# Allegro board parallella_layout.brd (continued)
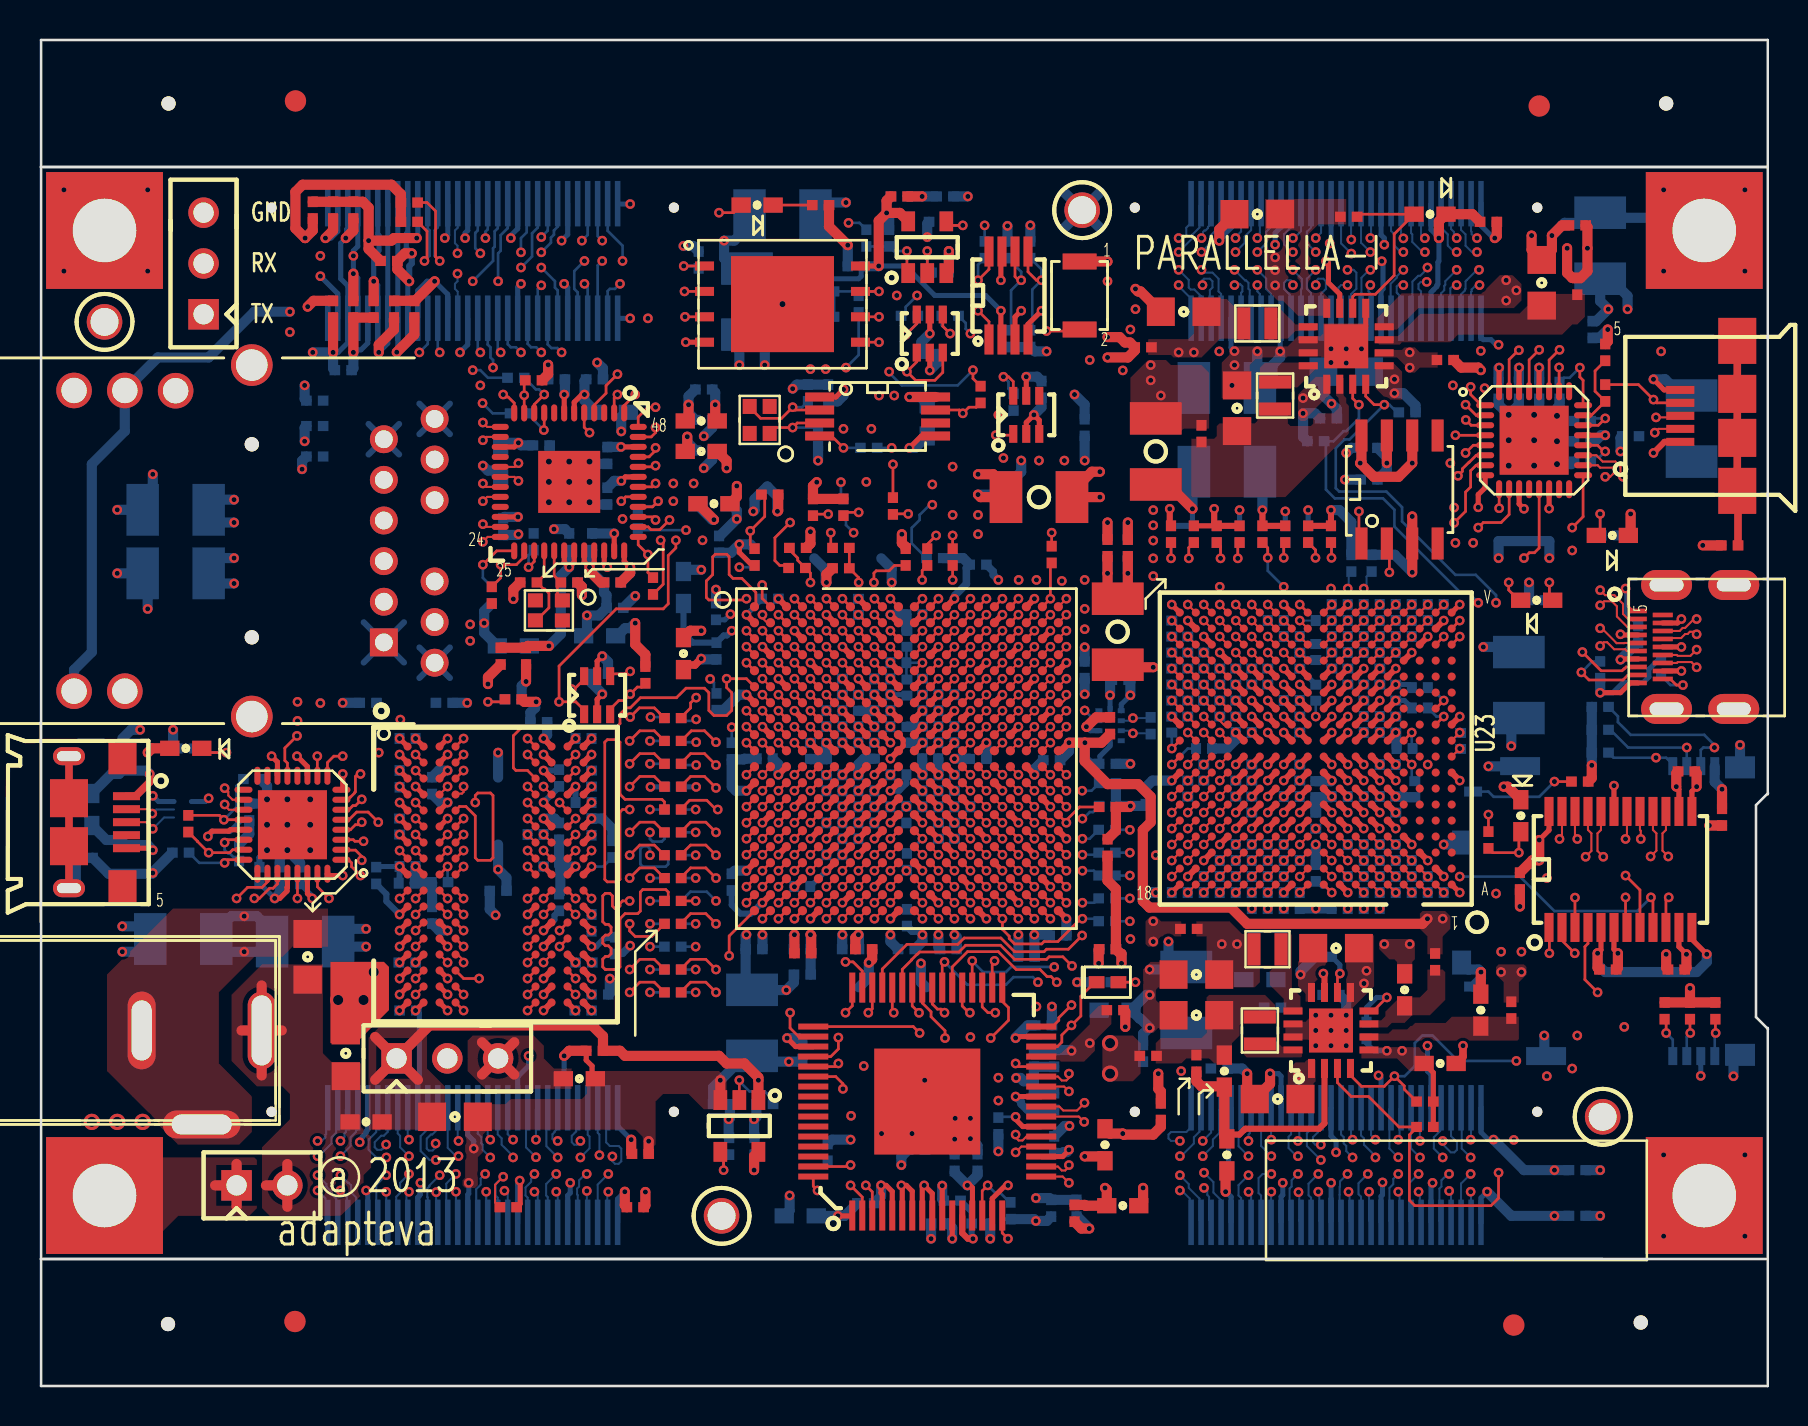
[diagram p0: board, top side]
## Routing (per net, layer and track width the routed paths; a pad name or vN(x,y) marks a point on that pad's centre or on a via; arc(x,y) is an arc through that point) (continued)
VCC_XADC: length 2.5
  TOP w0.254: U2.J9 v1(42.53,32.17)
  TOP w0.381: FB1.2 32.41,36.06 32.76,36.06 v1(33.07,36.37)
  BOTTOM w0.508: C16.2 33.11,36.33 v1(33.07,36.37)
VDD_ADJ: length 9.7
  TOP w0.508: C292.1 v1(15.67,55.63) ; v1(72.06,50.8) 71.94,50.93 71.08,50.93 R332.2
  L5_SIG w0.508: v1(15.67,55.63) v1(15.67,56.52)
  BOTTOM w0.254: J13.54 15.89,56.99 15.67,56.77 v1(15.67,56.52) v1(15.67,55.63) 15.89,55.41 J13.53
  vias: v1(72.06,51.77)
VDD_DSP: length 23.1
  TOP w0.305: U23.K8 v1(65.41,32.68) ; U23.H12 v1(61.41,30.28) ; U23.L13 v1(60.61,33.48) ; U23.K6 v1(67.01,32.68) ; U23.H8 v1(65.41,30.28) ; U23.J13 v1(60.61,31.08) ; U23.M12 v1(61.41,34.28) ; U23.H6 v1(67.01,30.28) ; U23.L9 v1(64.61,33.48) ; U23.N7 v1(66.21,35.08) ; U23.N9 v1(64.61,35.08) ; U23.L11 v1(62.21,33.48) ; U23.J7 v1(66.21,31.08) ; U23.H10 v1(63.01,30.28) ; U23.M10 v1(63.01,34.28) ; U23.N13 v1(60.61,35.08) ; U23.K12 v1(61.41,32.68) ; U23.M8 v1(65.41,34.28) ; U23.J9 v1(64.61,31.08) ; U23.M6 v1(67.01,34.28) ; U23.J11 v1(62.21,31.08) ; U23.L7 v1(66.21,33.48) ; U23.K10 v1(63.01,32.68) ; U23.N11 v1(62.21,35.08)
  TOP w0.508: v1(17.84,51.7) 18.72,52.58 C277.1
  BOTTOM w0.254: v1(17.84,51.7) 17.89,51.75 J13.45 J13.46
  vias: v1(55.55,51.05) v1(55.55,50.29) v1(56.06,49.53)
VDD_GPIO: length 61.4
  TOP w0.254: U37.12 82.62,22.33 v1(83.37,21.59) ; v1(74.98,27.3) 75.47,27.79 U37.24 ; U37.5 78.07,21.81 v1(77.9,21.64)
  TOP w0.305: U2.V14 v1(46.54,24.97) ; U2.R15 v1(47.34,27.37) ; U2.T18 v1(49.74,26.57) ; U2.Y10 v1(42.53,23.37) ; U2.Y20 v1(51.34,23.37) ; U2.N19 v1(50.54,28.97) ; U2.W7 v1(40.13,24.17) ; U2.T8 v1(40.93,26.57) ; U2.W17 v1(48.94,24.17) ; U2.U11 v1(44.14,25.77)
  TOP w0.508: v1(77.9,21.64) 77.9,20.92 C239.1 ; C190.1 41.62,21.34 v1(41.46,21.17) ; v1(52.95,21.13) 52.95,21.82 C129.1 ; C127.1 56.06,14.73 55.93,14.86 v1(55.93,15.62) ; v1(29.25,9.72) 29.25,9.04 C269.1 ; v1(29.57,12.32) 29.57,11.65 C268.1 ; C293.1 15.67,57.78 v1(15.29,57.4) ; C132.1 53.81,27.76 R22.2 54.49,28.96 v1(54.54,29.01) ; v1(74.98,27.3) v1(74.98,26.29) 74.64,26.29 C189.1 ; v1(76.38,56.9) 76.38,55.66 76.63,55.41 R333.2 77.05,55.41 77.4,55.75 v1(77.4,56.9) 77.4,57.95 C188.1 ; C126.1 v1(14.66,51.69)
  BOTTOM w0.254: v1(14.66,51.69) 14.91,51.69 15.39,52.17 J13.55 15.39,55.02 15.04,55.37 15.04,57.15 v1(15.29,57.4) 15.34,57.45 15.34,57.84 15.35,57.84 15.39,57.89 J13.56 ; C130.1 43,23.84 v1(42.53,23.37) ; v1(29.57,12.32) 28.89,12.99 J11.2 ; v1(29.25,9.72) 28.89,9.36 J11.1
  BOTTOM w0.508: C191.1 14.66,50.89 v1(14.66,51.69) v1(13.64,51.69) ; v1(51.34,23.37) 51.34,22.53 C133.1 ; C128.1 48.94,21.49 v1(48.94,22.57) ; C129.1 52.95,21.82 v1(52.95,21.13) ; v1(77.9,21.64) 77.9,21.08 78.29,20.7 82.86,20.7 83.37,21.21 v1(83.37,21.59) ; v1(41.46,21.17) 41.46,20.43 40.96,19.94 ; v1(9.71,40.13) 8.94,40.13 C194.1 8.44,40.89 8.94,41.4 v1(9.71,41.4) ; C131.1 55.21,29.01 v1(54.54,29.01) R20.1 R18.1 ; R328.1 34.44,12.43 v1(34.44,13.34) 34.51,13.4 C193.1
  vias: v1(57.08,15.75)
1P0V: length 83
  TOP w0.254: U2.J13 v1(45.74,32.97) ; U2.K12 v1(44.94,32.17)
  TOP w0.305: U2.H12 v1(44.94,33.77) ; U2.L13 v1(45.74,30.57) ; U2.P8 v1(40.93,28.17) ; U2.G7 v1(40.13,34.57) ; U2.J7 v1(40.13,32.97) ; U2.G13 v1(45.74,34.57) ; U2.P12 v1(44.94,28.17) ; U2.G11 v1(44.14,34.57) ; U2.H10 v1(42.53,33.77) ; U2.N7 v1(40.13,28.97) ; U2.R13 v1(45.74,27.37) ; U2.R7 v1(40.13,27.37) ; U2.N13 v1(45.74,28.97) ; U2.L7 v1(40.13,30.57) ; U2.M12 v1(44.94,29.77)
  TOP w0.508: C150.1 v1(37.73,22.57) ; C195.1 54.03,35.94 v1(55.68,35.94) ; v1(53.01,45.72) 52.61,45.72 51.62,44.73 C214.1 v1(53.01,44.45) ; v1(18.6,56.64) 18.25,56.64 C275.1 17.87,55.84 v1(18.47,55.24)
  L3_SIG w0.508: TP13.1 52.91,59.59 ; TP13.1 51.33,58.01 ; TP13.1 51.33,59.59 ; TP13.1 52.91,58.01
  L5_SIG w0.508: v1(51.74,49.58) 47.98,49.58 47.11,48.7 47.11,47.94 46.79,47.62 42.34,47.62 41.04,46.32 39.84,46.32 39.04,47.12 33.58,47.12 v1(33.2,47.5)
  L8_SIG w0.508: v1(51.74,49.58) 51.74,55.24 52.12,55.63 TP13.1 51.95,58.98 49.35,58.98 v1(48.39,58.01)
  BOTTOM w0.254: v1(18.6,56.64) 18.32,56.92 18.32,57.62 18.39,57.69 J13.44 ; J13.43 18.39,55.17 v1(18.47,55.24)
  BOTTOM w0.305: v1(18.6,56.64) 18.6,56.13 18.47,56.01 v1(18.47,55.24)
  BOTTOM w0.508: C151.1 52.25,49.07 v1(51.74,49.58) ; v1(33.2,47.5) 33.62,47.92 FB4.1 ; v1(40.31,59.18) 39.42,59.18 C179.1 ; C156.1 37.71,22.54 v1(37.73,22.57) ; v1(40.13,22.57) 40.12,22.56 C154.1 ; TP13.1 53.02,59.7 ; TP13.1 51.23,59.7 ; TP13.1 53.02,57.9 ; TP13.1 51.23,57.9 ; 42.08,41.39 42.6,40.87 v1(42.6,40.18) ; C182.1 37.71,20.18 v1(37.33,19.8) 35.63,19.8 35.3,20.13 C155.1 35.3,22.53 v1(35.33,22.57) ; v1(42.53,22.57) 42.53,22.23 C152.1 ; v1(44.94,22.57) 44.94,21.92 C153.1 ; R300.2 v1(48.39,58.01)
  vias: v2(53.52,17.14) v2(53.52,15.62)
1P0V_FLTR_PHY: length 6.7
  TOP w0.254: v1(27.23,49.58) 27.1,49.58 26.72,49.2 U9.6 ; v1(28.37,40.94) 28.22,41.1 U9.34
  TOP w0.508: v1(32.44,49.07) 32.44,48.43 C34.1
  BOTTOM w0.508: C32.1 27.23,50.25 v1(27.23,49.58) 27.23,49.29 C33.1 ; FB4.2 32.44,48.65 v1(32.44,49.07) 32.44,49.49 C35.1
1P8V: length 214.6
  TOP w0.254: U11.5 v1(44.5,52.63) ; v1(11.58,31.5) 11.88,31.2 U17.14 ; U12.32 v1(72.98,50.93) ; U12.30 v1(73.98,50.93) ; U34.3 48.77,53.46 v1(49.08,53.77) ; v1(15.14,25.53) 14.47,25.53 U17.32 ; U12.8 72.28,44.92 71.94,44.58 v1(71.94,43.94) ; v1(12.85,31.5) 13.38,30.97 U17.11 ; U17.30 13.38,24.62 v1(13.62,24.38) ; U17.8 15.14,29.88 v1(15.14,30.61) ; v1(11.74,24.38) 11.99,24.38 12.36,24.75 12.36,24.92 12.38,24.94 U17.28 ; U12.11 73.98,44.11 v1(74.22,43.87) ; R162.2 R161.2 ; U12.14 v1(75.48,43.88) ; U12.28 v1(74.98,50.93) ; U2.H8 v1(41.73,32.97) ; U14.5 v1(49.33,50.47)
  TOP w0.305: U23.G13 v1(60.61,29.48) ; U2.N11 v1(44.14,28.97) ; U23.G11 v1(62.21,29.48) ; U2.B16 v1(48.14,38.57) ; U23.L5 v1(67.81,33.48) ; v1(64.57,43.8) R159.2 R157.2 ; U23.P8 v1(65.41,35.88) ; U2.R9 v1(41.73,27.37) ; U23.P12 v1(61.41,35.88) ; U23.M14 v1(59.81,34.28) ; U23.G5 v1(67.81,29.48) ; U2.D12 v1(44.94,36.97) ; R156.2 56.5,43.08 v1(56.5,43.87) ; U23.G7 v1(66.21,29.48) ; R164.2 R163.2 v1(61.14,43.8) ; U2.B10 v1(42.53,38.57) ; U2.P10 v1(42.53,28.17) ; U23.P10 v1(63.01,35.88) ; U2.A13 v1(45.74,39.37) ; U23.K14 v1(59.81,32.68) ; U23.G9 v1(64.61,29.48) ; U2.E15 v1(47.34,36.17) ; U2.F8 v1(40.93,35.37) ; U2.N9 v1(41.73,28.97) ; U23.J5 v1(67.81,31.08) ; U2.L11 v1(44.14,30.57) ; v1(58.73,43.87) 58.73,43.14 R161.2 R158.2 ; U23.P6 v1(67.01,35.88) ; U23.H14 v1(59.81,30.28) ; U2.K8 v1(40.93,32.17) ; U2.M8 v1(40.93,29.77) ; U2.G9 v1(41.73,34.57) ; U23.P14 v1(59.81,35.88) ; U2.J11 v1(44.14,32.97) ; U23.N5 v1(67.81,35.08)
  TOP w0.508: C278.1 v1(16.69,55.24) ; FB18.1 52.08,7.87 v1(52.48,7.87) ; CR1.2 73.41,29.97 v1(73.21,29.97) ; FB1.1 32.53,37.77 v1(33.07,37.77) ; v1(22.41,35.1) 22.41,35.45 FB5.2 ; C272.1 72.86,57.51 v1(72.76,57.4)
  L3_SIG w0.508: v1(75.49,41.4) 76.25,41.4 v1(76.63,41.78) 77.52,41.78 78.7,40.6 78.7,39.46 79.94,38.23 79.94,34.67 79.58,34.31 79.58,33.15 80.47,32.26 81.08,32.26 82.22,31.12 84.25,31.12 84.89,30.48 84.89,17.4 84,16.51 82.73,16.51 81.71,15.49 81.71,14.66 79.17,12.12 79.17,10.86 78.29,9.97 76.57,9.97 v1(75.75,10.79) v1(75.75,8.51) 74.73,7.49 52.86,7.49 v1(52.48,7.87) ; v1(74.98,50.93) v1(73.98,50.93) v1(72.98,50.93) ; v1(16.69,55.24) 14.28,52.83 13.77,52.83 12.88,51.94 12.88,51.05 13.24,50.7 v1(13.24,50.04)
  L10_SIG w0.508: v1(40.54,12.32) 41.25,11.61 42.52,11.61 v1(43.08,11.05) 43.28,10.85 49.51,10.85 v1(52.48,7.87)
  BOTTOM w0.254: J9.2 72.07,58.03 72.7,57.4 v1(72.76,57.4) ; R292.1 63.81,35.08 v1(63.01,35.88) ; J8.2 72.07,12.69 72.44,12.32 v1(72.7,12.32) ; v1(13.62,24.38) 13.62,24.5 C69.1 ; J8.1 72.07,9.41 v1(72.38,9.72) ; v1(67.81,35.08) 68.46,35.08 R220.1 ; J9.1 72.06,53.39 72.06,52.45 72.19,52.32 72.57,52.32 72.82,52.07 v1(72.95,52.07) ; J13.49 16.89,55.04 v1(16.69,55.24) 16.69,56.52 16.96,56.78 16.96,57.53 16.89,57.59 J13.50 ; v1(11.74,24.38) 11.01,25.11 C64.1
  BOTTOM w0.381: C21.1 46.33,40.91 46.33,40.11 45.77,39.55 45.77,39.41 v1(45.74,39.37)
  BOTTOM w0.508: v1(59.81,32.68) 59.81,32.32 59.36,31.88 R222.1 ; v1(72.7,12.32) 74.22,10.79 v1(75.75,10.79) C271.1 ; FB6.1 33.62,46.32 v1(33.2,45.9) ; C65.1 11.99,24.64 v1(11.74,24.38) ; C9.2 44.08,52.21 v1(44.5,52.63) ; v1(42.53,38.57) C19.1 43.33,37.79 R62.1 ; C273.1 77.84,53.25 v1(78.44,53.85) 78.03,54.25 78.03,55.37 78.54,55.37 79.4,54.51 v1(79.4,53.85) ; R295.1 44.38,58.13 v1(44.38,57.45) ; C270.1 v1(75.75,8.51) 73.59,8.51 v1(72.38,9.72) ; v1(75.49,41.4) 75.49,42.25 72.95,42.25 v1(72.95,41.4) ; v1(73.98,50.93) 73.97,50.92 C55.1 ; FB3.2 13.24,49.36 v1(13.24,50.04) ; FB15.1 51.88,8.47 v1(52.48,7.87) ; C21.1 46.17,41.4 R61.2 ; C56.1 74.98,50.92 v1(74.98,50.93) ; FB7.2 v1(29.77,39.51) ; C60.1 72.95,50.9 v1(72.98,50.93) ; v1(9.71,43.18) 9.07,43.18 C17.1 8.94,44.32 v1(9.71,44.32) ; R179.2 C197.1 64.58,29.44 v1(64.61,29.48) ; C162.1 43.37,32.97 v1(44.14,32.97) ; 61.01,45.72 61.14,45.59 v1(61.14,43.8) ; v1(67.81,29.48) 68.24,29.48 68.27,29.44 R238.2 ; v1(49.33,50.47) 49.88,50.47 C31.2 ; C175.1 44.12,30.58 v1(44.14,30.57) ; v1(43.08,11.05) 43.08,11.47 FB17.1 ; R247.1 65.59,43.2 64.99,43.8 v1(64.57,43.8) ; FB12.1 34.85,43.78 v1(34.85,43.36) 34,42.51 C174.1 ; v1(63.81,27.08) 63.81,27.08 R290.1 ; C290.1 v1(46.41,59.49) ; v1(40.54,12.32) 39.61,12.32 FB14.1
  vias: v1(48.95,40.31) v1(49.84,40.31) v1(51.11,40.26) v1(52.25,40.31) v1(55.68,23.24) v1(55.68,22.23) v1(60.61,23.88) v1(67.01,23.88)
1P8V_FLTR_PHY: length 6.6
  TOP w0.254: U9.43 29.27,45.46 v1(29.07,45.26) ; U9.46 v1(29.06,46.96) ; U9.7 v1(26.22,49.58)
  TOP w0.508: v1(32.37,47.47) 32.37,46.84 C40.1
  BOTTOM w0.508: v1(29.06,46.96) 28.38,46.96 C42.1 ; C41.1 26.25,49.61 v1(26.22,49.58) ; C43.1 28.72,45.26 v1(29.07,45.26) ; FB6.2 32.37,47.19 v1(32.37,47.47)
1P35V: length 88.8
  TOP w0.254: U20.N3 20.39,21.98 v1(20.39,21.98) ; U20.L1 v1(17.99,23.58) ; v1(17.99,32.38) 18.39,31.98 U20.A1 ; U20.R1 v1(17.99,20.38) ; U20.F3 19.99,27.98 v1(20.39,28.38) ; v1(20.39,29.18) 19.99,28.78 U20.E3 ; U20.C1 v1(17.99,30.78) ; U20.M3 v1(20.39,22.78) ; U20.P2 v1(18.79,21.18) ; U20.U1 v1(17.99,18.78) ; U20.B1 v1(17.99,31.58) ; U20.G1 v1(17.99,27.58) ; U20.D2 v1(18.79,29.98) ; U20.T1 v1(17.99,19.58)
  TOP w0.305: U20.R12 v1(27.59,20.38) ; U20.F10 v1(25.19,28.38) ; v1(27.59,27.58) 27.59,27.58 U20.G12 ; U20.P11 26.79,21.18 v1(26.79,21.18) ; U2.R5 v1(38.53,27.37) ; v1(27.59,31.58) 27.19,31.18 U20.B12 ; U2.H4 v1(37.73,33.77) ; U2.E5 v1(38.53,36.17) ; v1(27.59,30.78) 27.19,30.38 U20.C12 ; U2.A3 v1(36.93,39.37) ; U20.A12 27.19,31.98 v1(27.59,32.38) ; U20.D11 26.39,29.58 v1(26.79,29.98) ; U20.E10 v1(25.19,29.18) ; U2.D2 v1(36.13,36.97) ; U20.T12 v1(27.59,19.58) ; v1(27.59,23.58) 27.59,23.58 U20.L12 ; U20.U12 v1(27.59,18.78) ; U20.M10 v1(25.19,22.78) ; U2.U1 v1(35.33,25.77) ; U2.P2 v1(36.13,28.17) ; U2.V4 v1(37.73,24.97) ; U20.N10 v1(25.19,21.98) ; U2.G1 v1(35.33,34.57) ; U2.L3 v1(36.93,30.57)
  TOP w0.508: v1(24.82,34.21) 24.22,34.21 R66.1 ; C276.1 17.71,52.83 16.94,52.07 v1(16.94,51.69) ; v1(53.39,51.43) 54.41,51.43 54.75,51.78 R331.2 54.51,52.18 54.27,52.18 54,52.45 v1(53.39,52.45)
  L8_SIG w0.254: v1(36.93,39.37) 37.61,40.04 37.61,40.93 37.11,41.43
  L8_SIG w0.508: v1(49.53,58.04) 48.69,57.2 47.3,57.2 45.46,55.36 41.46,55.36 40.88,54.79 39.99,54.79 37.14,51.93 37.14,50.8 36.27,49.94 36.27,42.27 37.11,41.43
  BOTTOM w0.254: v1(16.94,51.69) 17.39,52.14 J13.47 J13.48 ; C80.1 v1(32.82,29.96)
  BOTTOM w0.305: C110.1 25.73,23.53 25.73,23.32 25.19,22.78 v1(25.19,22.78) ; R69.1 17.33,24.6 17.33,24.24 v1(17.99,23.58) ; C100.1 v1(26.79,29.98) ; C73.1 25.96,29.95 v1(25.19,29.18)
  BOTTOM w0.381: C77.1 28.79,21.64 29.14,21.64 v1(29.52,22.02)
  BOTTOM w0.508: v1(20.39,29.18) 20.04,29.18 C81.1 ; v1(22.79,23.55) 22.49,23.84 C108.1 ; C78.1 v1(33.81,39.83) ; R112.2 34.18,33.79 34.95,34.57 v1(35.33,34.57) ; C99.1 24.53,33.68 24.77,33.92 24.77,34.16 v1(24.82,34.21) ; C79.1 19.96,22.78 v1(20.39,22.78) ; v1(36.93,30.57) 36.93,31.08 C74.1 ; C107.1 25.74,28.38 v1(25.19,28.38) ; v1(4.12,21.72) 4.88,21.72 C70.1 4.88,22.99 v1(4.12,22.99) ; C72.1 34.75,25.77 v1(35.33,25.77) ; v1(16.31,21.97) 15.17,21.97 C71.1 15.55,22.86 v1(16.31,22.86) ; R298.1 v1(49.53,58.04) ; 22.91,30.43 v1(22.91,31.67)
2P5V: length 49.6
  TOP w0.305: U2.M16 v1(48.14,29.77) ; U2.C19 v1(50.54,37.77) ; U2.J17 v1(48.94,32.97) ; U2.F18 v1(49.74,35.37) ; U2.H14 v1(46.54,33.77)
  TOP w0.33: v1(51.46,32.17) 51.06,31.77 U2.K20
  TOP w0.508: C297.2 53.09,32.17 v1(52.26,32.17) ; v1(14.28,57.4) 14.66,57.78 C294.1 ; C138.1 v1(54.41,43.18) ; v1(52.26,32.17) 52.25,32.16 52.25,31.24 53.39,30.1 54.92,30.1 55.55,29.46 55.55,28.19 55.16,27.8 55.16,24.26 55.49,23.93 59.57,23.93 60.38,23.11 69.14,23.11 v1(69.4,23.37) ; v1(52.26,32.17) v1(51.46,32.17) ; C136.1 v1(53.39,43.18)
  L10_SIG w0.508: v1(70.16,23.37) v1(69.4,23.37) ; v1(54.41,43.18) v1(53.39,43.18)
  BOTTOM w0.254: v1(14.28,57.4) 14.56,57.4 14.89,57.74 J13.58 ; v1(14.02,55.5) 14.89,54.63 J13.57 ; U38.10 v1(53.52,34.54) ; C142.1 53.01,31.15 53.01,31.5 53.52,32 U38.5
  BOTTOM w0.508: v1(53.52,34.54) 53.52,35.22 C298.1 ; C140.1 46.49,31.37 v1(45.74,31.37) ; C136.1 v1(53.39,43.18) ; C142.1 52.5,31.12 52.25,31.37 52.25,32.16 v1(52.26,32.17) v1(51.46,32.17) 51.46,31.74 C137.1 ; C141.1 v1(52.25,36.94) ; C138.1 v1(54.41,43.18)
  vias: v1(14.02,56.52)
3P3V: length 105.2
  TOP w0.254: v1(48.06,53.77) 48.06,52.39 U34.2 ; U35.1 39.81,49.46 v1(40.19,49.83) ; U7.8 v1(41.95,56.01) ; U5.5 27.87,36.25 v1(28.12,36.5) ; U2.R6 v1(39.33,27.37)
  TOP w0.305: U2.K6 v1(39.33,32.17) ; U2.D7 v1(40.13,36.97) ; U2.T6 v1(39.33,26.57) ; U2.N6 v1(39.33,28.97) ; U2.M6 v1(39.33,29.77) ; U2.B6 v1(39.33,38.57)
  TOP w0.508: R43.1 38.53,42.13 v1(38.53,42.72) ; FB16.2 54.28,18.71 v1(54.28,17.96) ; v1(43.11,42.6) 43.11,42.15 43.3,41.96 R48.2 ; v1(84.13,29.84) C11.2 ; v1(43.49,49.46) U35.8 ; R38.2 77.61,30.4 v1(77.61,31.04) ; C295.1 13.64,57.78 v1(13.26,57.4) 12.77,57.89 12.77,59.71 13.13,60.07 17.58,60.07 18.05,59.6 R9.2 R10.2 ; U33.5 43,58.66 v1(42.34,58.66) ; R36.2 R37.2 ; R37.2 v1(82.53,19.89) ; R37.2 R33.2 ; v1(41.95,56.01) 41.95,58.27 v1(42.34,58.66) ; v1(42.34,58.66) 42.34,59.27 C259.2 ; R46.2 36.92,43.78 v1(36.88,43.74) ; U36.5 35.71,11.49 v1(35.71,10.79)
  L3_SIG w0.508: v1(32.18,57.01) 33.64,57.01 33.97,56.68 34.46,56.68 34.51,56.73 35.23,56.01 v1(41.95,56.01)
  BOTTOM w0.254: C10.2 41.2,55.99 41.07,55.87 41.07,55.5 40.95,55.37 39.04,55.37 38.92,55.24 38.92,54.78 R52.1 ; v1(48.06,53.77) 47.3,54.53 44.76,54.53 43.28,56.01 v1(41.95,56.01)
  BOTTOM w0.508: C259.2 42.34,59.27 v1(42.34,58.66) 42.47,58.53 R326.2 ; C53.1 44.03,49.46 v1(43.49,49.46) ; v1(36.25,51.05) 36.25,52.07 35.74,52.58 C286.1 34.98,52.2 v1(34.98,51.05) ; C13.1 38.55,31.34 R8.2 39.34,32.13 R12.2 ; v1(35.68,43.74) 35.74,43.8 35.74,44.35 36.38,44.98 36.88,44.48 v1(36.88,43.74) ; v1(28.12,36.5) 28.41,36.21 C7.2 ; v1(41.95,56.01) 41.94,55.99 C10.2 ; v1(74.48,40.18) 74.48,39.33 R89.1 ; C288.2 35.71,11.54 v1(35.71,10.79) ; v1(84.13,29.84) 83.76,30.21 J3.4 ; R225.1 v1(51.87,20.19) ; v1(77.61,31.04) R35.2 R34.2 R39.2 ; v1(73.59,32) 73.59,33.02 C12.1 ; C24.1 39.89,49.24 40.19,49.53 v1(40.19,49.83) ; v1(32.18,57.01) 32.67,57.01 R28.1 ; v1(12.5,53.72) 10.72,53.72 8.44,51.43 5.9,51.43 J5.16 4.24,47.75 2.59,46.1 2.59,36.7 1.7,35.81 J5.14
  vias: v1(12.5,52.7) v1(41.2,16) v1(43.33,28.97) v1(43.33,25.77) v1(73.08,20.7) v1(74.09,20.7)
5P0V: length 25.9
  TOP w0.508: 16.76,15.31 J14.1 ; J14.1 16.76,17.45 ; J14.1 18.9,15.31 ; J14.1 18.9,17.45 ; U36.1 v1(35.93,15.29) 35.93,15.43 35.23,16.13 34.34,16.13 33.96,16.51 29.26,16.51 29.01,16.76 R273.1 28.16,17.49 27.61,18.03 19.48,18.03 18.91,17.46
5P0V_IN: length 9.7
  TOP w0.508: J15.2 12.37,11.1 ; J15.2 12.37,8.96 ; J15.2 11.3,10.03 ; J12.1 12.09,17.78 ; J12.1 11.09,20.03 ; J12.1 10.08,17.78 ; J12.1 11.09,15.53
BOARD_RESET_L: length 116.1
  TOP w0.133: v1(23.17,49.58) 23.29,49.45 23.42,49.45 23.72,49.16 U9.12 ; U33.4 45.53,58.04 v1(46.15,58.04) ; v1(10.72,24.38) 10.98,24.38 11.48,24.89 11.66,24.89 11.88,25.11 U17.27 ; U12.27 75.48,51.31 75.99,51.82 v1(76,51.82)
  L3_SIG w0.108: v1(45.65,45.97) 45.65,49.53 46.03,49.91 46.03,53.34 46.15,53.47 v1(46.15,58.04) ; v1(12.88,33.26) 12.89,33.26 13.39,32.77 13.39,30.61 13.01,30.23 13.01,26.29 12.12,25.4 11.74,25.4 v1(10.72,24.38)
  L5_SIG w0.108: v1(76,51.82) 76,52.2 74.35,53.85 72.06,53.85 71.43,54.48 71.43,57.66 70.67,58.42 55.93,58.42 54.92,57.4 51.36,57.4 51.23,57.53 46.66,57.53 v1(46.15,58.04)
  L8_SIG w0.108: v1(12.88,33.26) 12.44,33.71 12.44,34.47 12.85,34.88 20.91,34.88 23.17,37.13 23.17,39.99 23.48,40.31 23.48,47.8 23.17,48.12 v1(23.17,49.58)
  L10_SIG w0.108: v1(45.65,45.97) 45.27,45.59 42.47,45.59 41.58,46.48 39.8,46.48 39.04,47.24 38.41,47.24 38.28,47.12 36.63,47.12 35.11,48.64 33.45,48.64 32.31,49.78 30.28,49.78 30.03,50.04 23.68,50.04 23.22,49.58 v1(23.17,49.58)
  BOTTOM w0.133: R295.2 45.48,58.04 v1(46.15,58.04)
DDC_SCL: length 67.3
  TOP w0.133: J10.17 79.43,35.56 79.17,35.31 77.47,35.31 v1(77.09,35.69) ; v1(47.55,17.4) 48.44,18.29 48.44,18.92 48.13,19.24 U26.33
  L3_SIG w0.108: v1(76.89,17.53) 76.13,16.76 76.13,14.86 76,14.73 76,12.83 73.46,10.29 73.46,10.03 72.44,9.02 56.95,9.02 53.01,12.95 53.01,15.24 52,16.26 49.84,16.26 49.2,16.89 48.06,16.89 v1(47.55,17.4)
  L5_SIG w0.108: v1(77.09,35.69) 76.76,35.36 76.76,29.08 78.79,27.05 78.79,26.04 78.41,25.65 78.41,19.05 v1(76.89,17.53)
  BOTTOM w0.133: v1(77.09,35.69) 77.64,36.23 R19.1
DDC_SDA: length 78.2
  TOP w0.133: v1(82.17,35.05) 81.84,35.05 81.54,35.36 J10.18 ; v1(47.74,21.26) 47.74,21.17 47.63,21.06 U26.34
  L5_SIG w0.108: v1(82.17,35.05) 82.17,35.1 82.98,34.29 82.98,30.99 83.49,30.48 83.49,29.21 82.98,28.7 82.98,24.13 80.32,21.46 80.32,12.9 79.81,12.4 79.81,8.89 78.06,7.14 50.12,7.14 47.87,9.39 47.87,10.4 47.04,11.23 47.04,19.05 47.74,19.75 v1(47.74,21.26)
  BOTTOM w0.133: v1(82.17,35.05) 81.55,35.05 R21.1
DDR3_A0: length 20.3
  TOP w0.133: U2.N2 v1(36.13,28.97)
  L5_SIG w0.108: v1(32.79,25.4) 31.68,25.4 31.55,25.27 31.55,22.53 31.42,22.4 31.17,22.4 31.04,22.53 31.04,27.61 31.17,27.74 31.68,27.74 31.8,27.61 31.8,25.96 31.93,25.83 34.22,25.83 34.6,26.21 34.6,27.99 34.94,28.33 34.94,28.33 35.17,28.57 35.67,28.57 35.94,28.84 36,28.84 v1(36.13,28.97)
  BOTTOM w0.133: R316.1 v1(32.79,25.4)
DDR3_A1: length 8.1
  TOP w0.133: R315.1 32.07,28.87 32.49,29.29 33.35,29.29 33.81,28.83 v1(33.9,28.83) ; U2.K2 v1(36.13,32.17)
  L5_SIG w0.108: v1(36.13,32.17) 35.64,31.67 35.23,31.67 34.52,30.96 34.52,30.65 34.23,30.37 33.65,30.37 33.41,30.14 33.41,29.23 33.81,28.83 v1(33.9,28.83)
DDR3_A2: length 22
  TOP w0.133: v1(33.81,25.4) 33.3,25.91 32.54,25.91 32.07,25.44 R314.1 ; U2.M3 v1(36.93,29.77)
  L5_SIG w0.108: v1(36.93,29.77) 36.74,29.57 36.74,29.52 36.53,29.31 36.53,28.8 36.3,28.57 35.98,28.57 35.74,28.33 35.74,28 35.5,27.77 35.17,27.77 34.94,27.53 34.94,26 34.33,25.4 34.33,25.19 34.09,24.94 33.45,24.94 33.2,24.69 32.66,24.69 32.4,24.42 32.4,23.97 32.69,23.67 33.07,23.67 33.33,23.42 33.33,22.91 33.58,22.66 34.34,22.66 34.47,22.53 34.47,22.02 34.34,21.89 33.45,21.89 32.95,22.4 32.18,22.4 31.99,22.59 31.99,24.63 32.31,24.94 33.07,24.94 33.33,25.2 33.61,25.2 v1(33.81,25.4)
DDR3_A3: length 17.4
  TOP w0.133: U2.K3 v1(36.93,32.17) ; R313.1 32.07,27.72 32.54,28.19 33.3,28.19 v1(33.81,27.69)
  L8_SIG w0.108: v1(36.93,32.17) 36.54,31.77 36.54,30.35 36.72,30.17 38.03,30.17 38.14,30.05 38.14,29.6 37.9,29.37 35.87,29.37 35.74,29.24 35.74,29.14 35.74,29.13 35.74,28.8 35.74,28.8 35.74,28.7 35.87,28.57 38.03,28.57 38.14,28.46 38.14,27.95 37.96,27.77 34.87,27.77 34.79,27.69 v1(33.81,27.69)
DDR3_A4: length 12.4
  TOP w0.133: U2.M4 v1(37.73,29.77)
  L5_SIG w0.108: v1(33.81,24.26) 33.81,23.93 33.97,23.77 36.3,23.77 36.54,24.01 36.54,27.53 36.77,27.77 37.09,27.77 37.33,28 37.33,28.8 37.34,28.8 37.34,29.37 v1(37.73,29.77)
  BOTTOM w0.133: v1(33.81,24.26) 33.35,24.72 32.53,24.72 R312.1
DDR3_A5: length 14.5
  TOP w0.133: v1(33.81,26.54) 33.3,27.05 32.54,27.05 32.07,26.58 R311.1 ; U2.L1 v1(35.33,30.57)
  L5_SIG w0.108: v1(33.81,26.54) 33.33,27.03 33.33,27.86 33.58,28.12 34.05,28.12 34.51,28.58 34.51,28.67 34.94,29.1 34.94,29.26 35.05,29.37 36.3,29.37 36.53,29.6 36.53,29.93 36.77,30.17 37.89,30.17 38.13,30.4 38.13,30.91 37.98,31.06 36.86,31.06 36.54,30.73 36.54,30.69 36.53,30.69 36.53,30.4 36.3,30.17 35.73,30.17 v1(35.33,30.57)
DDR3_A6: length 17.4
  TOP w0.133: U2.L4 v1(37.73,30.57)
  L3_SIG w0.108: v1(37.73,30.57) 37.73,30.92 37.86,31.05 38.53,31.05 38.66,31.18 38.66,31.5 38.53,31.62 36.66,31.62 36.54,31.5 36.54,29.61 36.29,29.37 35.97,29.37 35.74,29.13 35.74,28.81 35.49,28.57 35.17,28.57 34.94,28.33 34.94,28.33 34.91,28.31 34.91,27.09 33.91,26.09 33.58,26.09 33.39,25.9 33.39,22.53 33.26,22.4 32.92,22.4 32.79,22.53 v1(32.79,23.11)
  BOTTOM w0.133: R310.1 v1(32.79,23.11)
DDR3_A7: length 8.9
  TOP w0.133: U2.K4 v1(37.73,32.17)
  L5_SIG w0.108: v1(32.79,27.69) 33.54,28.43 34.06,28.43 34.3,28.66 34.3,28.78 34.53,29.02 34.53,29.46 34.94,29.87 34.94,30.73 35.17,30.97 36.05,30.97 36.76,31.67 37.24,31.67 v1(37.73,32.17)
  BOTTOM w0.133: R309.1 v1(32.79,27.69)
DDR3_A8: length 8.3
  TOP w0.133: U2.K1 v1(35.33,32.17)
  L5_SIG w0.108: v1(32.79,28.83) 32.79,28.5 32.67,28.37 32.31,28.37 32.18,28.5 32.18,30.45 32.39,30.65 34.14,30.65 34.22,30.73 34.22,31.05 v1(35.33,32.17)
  BOTTOM w0.133: R308.1 v1(32.79,28.83)
DDR3_A9: length 8.5
  TOP w0.133: U2.J4 v1(37.73,32.97) ; v1(33.81,29.91) 33.24,30.48 32.54,30.48 32.07,30.01 R307.1
  L5_SIG w0.108: v1(37.73,32.97) 37.33,32.57 36.77,32.57 36.54,32.33 36.54,31.96 35.87,31.29 35.2,31.29 34.73,30.82 34.73,30.36 34.28,29.91 v1(33.81,29.91)
DDR3_A10: length 9.7
  TOP w0.133: v1(33.81,32.19) 33.24,32.77 32.58,32.77 R306.1 ; U2.F5 v1(38.53,35.37)
  L5_SIG w0.108: v1(38.53,35.37) 38.13,34.97 35.1,34.97 33.81,33.68 v1(33.81,32.19)
DDR3_A11: length 8.7
  TOP w0.133: U2.G4 v1(37.73,34.57)
  L5_SIG w0.108: v1(32.82,31.05) 32.82,31.14 33.38,31.7 33.91,31.7 34.41,32.19 34.41,32.44 34.2,32.64 34.2,33.31 35.06,34.17 37.34,34.17 37.73,34.56 v1(37.73,34.57)
  BOTTOM w0.133: R305.1 32.13,31.05 v1(32.82,31.05)
DDR3_A12: length 8.2
  TOP w0.133: v1(32.82,34.42) 32.82,34.42 32.79,34.42 32.54,34.16 32.54,33.91 32.07,33.44 R304.1 ; U2.E4 v1(37.73,36.17)
  L5_SIG w0.108: v1(32.82,34.42) 32.82,34.42 33.2,34.42 33.91,35.13 33.91,35.66 34.83,36.57 37.34,36.57 v1(37.73,36.17)
DDR3_A13: length 9.9
  TOP w0.133: U2.D4 v1(37.73,36.97)
  L5_SIG w0.108: v1(32.82,33.34) 32.82,33.38 32.31,33.88 32.31,35.04 34.64,37.37 37.28,37.37 37.48,37.16 37.54,37.16 v1(37.73,36.97)
  BOTTOM w0.133: v1(32.82,33.34) 32.74,33.26 32.21,33.26 R303.1
DDR3_A14: length 8.5
  TOP w0.133: U2.F4 v1(37.73,35.37)
  L5_SIG w0.108: v1(32.82,32.19) 33.33,32.7 33.33,33.77 34.34,34.79 34.41,34.79 35.39,35.77 37.34,35.77 v1(37.73,35.37)
  BOTTOM w0.133: v1(32.82,32.19) 32.13,32.19 R302.1
DDR3_BA0: length 15.1
  TOP w0.133: v1(33.81,23.11) 33.3,23.62 32.54,23.62 32.07,23.15 R319.1 ; U2.L5 v1(38.53,30.57)
  L3_SIG w0.108: v1(33.81,23.11) 33.81,22.4 33.94,22.28 34.22,22.28 34.34,22.4 34.34,25.96 34.82,26.44 34.82,26.62 35.18,26.97 35.5,26.97 35.73,27.2 35.73,28.33 35.98,28.57 36.3,28.57 36.54,28.81 36.54,29.13 36.78,29.37 37.1,29.37 37.34,29.61 37.34,29.93 37.58,30.17 38.41,30.17 38.53,30.3 v1(38.53,30.57)
DDR3_BA1: length 18.3
  TOP w0.133: U2.R4 v1(37.73,27.37)
  L5_SIG w0.108: v1(37.73,27.37) 37.33,26.97 37.33,22.67 36.63,21.97 35.99,21.97 35.23,21.21 35.23,20.62 34.85,20.24 31.17,20.24 31.04,20.37 31.04,20.62 31.17,20.75 31.68,20.75 31.8,20.88 31.8,21.26 31.68,21.39 31.17,21.39 31.04,21.51 31.04,21.84 31.17,21.97 v1(32.79,21.97)
  BOTTOM w0.133: R318.1 v1(32.79,21.97)
DDR3_BA2: length 9
  TOP w0.133: v1(33.81,31.05) 33.24,31.62 32.54,31.62 32.07,31.15 R317.1 ; U2.J5 v1(38.53,32.97)
  L5_SIG w0.108: v1(38.53,32.97) 38.14,33.37 35.87,33.37 35.74,33.24 35.74,32.81 35.5,32.57 35.03,32.57 34.72,32.26 34.72,32.03 34.08,31.38 34.08,31.32 v1(33.81,31.05)
DDR3_CAS_L: length 13.4
  TOP w0.133: U2.P5 v1(38.53,28.17)
  L3_SIG w0.108: v1(38.53,28.17) 38.53,28.12 38.14,27.72 38.14,27.21 37.9,26.97 37.58,26.97 37.34,26.73 37.34,26.41 37.1,26.17 36.78,26.17 36.54,25.93 36.54,25.61 36.3,25.37 35.98,25.37 35.74,25.13 35.74,21.51 34.34,20.12 33.23,20.12 v1(32.79,19.69)
  BOTTOM w0.133: R323.1 v1(32.79,19.69)
DDR3_CKE: length 8.8
  TOP w0.133: U2.N3 v1(36.93,28.97) ; R325.1 v1(32.79,24.26)
  L5_SIG w0.108: v1(32.79,24.26) 32.84,24.31 33.2,24.31 33.58,24.69 34.34,24.69 35.03,25.37 35.5,25.37 35.73,25.6 35.73,25.93 35.74,25.93 35.74,27.53 35.97,27.77 36.3,27.77 36.53,28 36.53,28.4 36.76,28.63 36.76,28.79 v1(36.93,28.97)
DDR3_CS_L: length 7.5
  TOP w0.133: U2.N1 v1(35.33,28.97)
  L5_SIG w0.108: v1(35.33,28.97) 35.14,28.77 35,28.77 34.22,27.99 34.22,26.34 33.96,26.09 32.31,26.09 32.18,26.21 32.18,26.42 32.31,26.54 v1(32.79,26.54)
  BOTTOM w0.133: R321.1 v1(32.79,26.54)
DDR3_ODT: length 14.1
  TOP w0.133: U2.N5 v1(38.53,28.97)
  L3_SIG w0.108: v1(38.53,28.97) 38.38,28.82 38.14,28.82 37.9,28.57 37.58,28.57 37.34,28.33 37.34,27.21 37.1,26.97 36.78,26.97 36.54,26.73 36.54,26.41 36.3,26.17 35.98,26.17 35.74,25.93 35.74,25.61 35.5,25.37 35.18,25.37 34.94,25.13 34.94,21.22 34.09,20.37 33.25,20.37 v1(32.79,20.83)